# Altium PCB VCU_LAYOUT.PcbDoc (part 1 of 2) (continued)
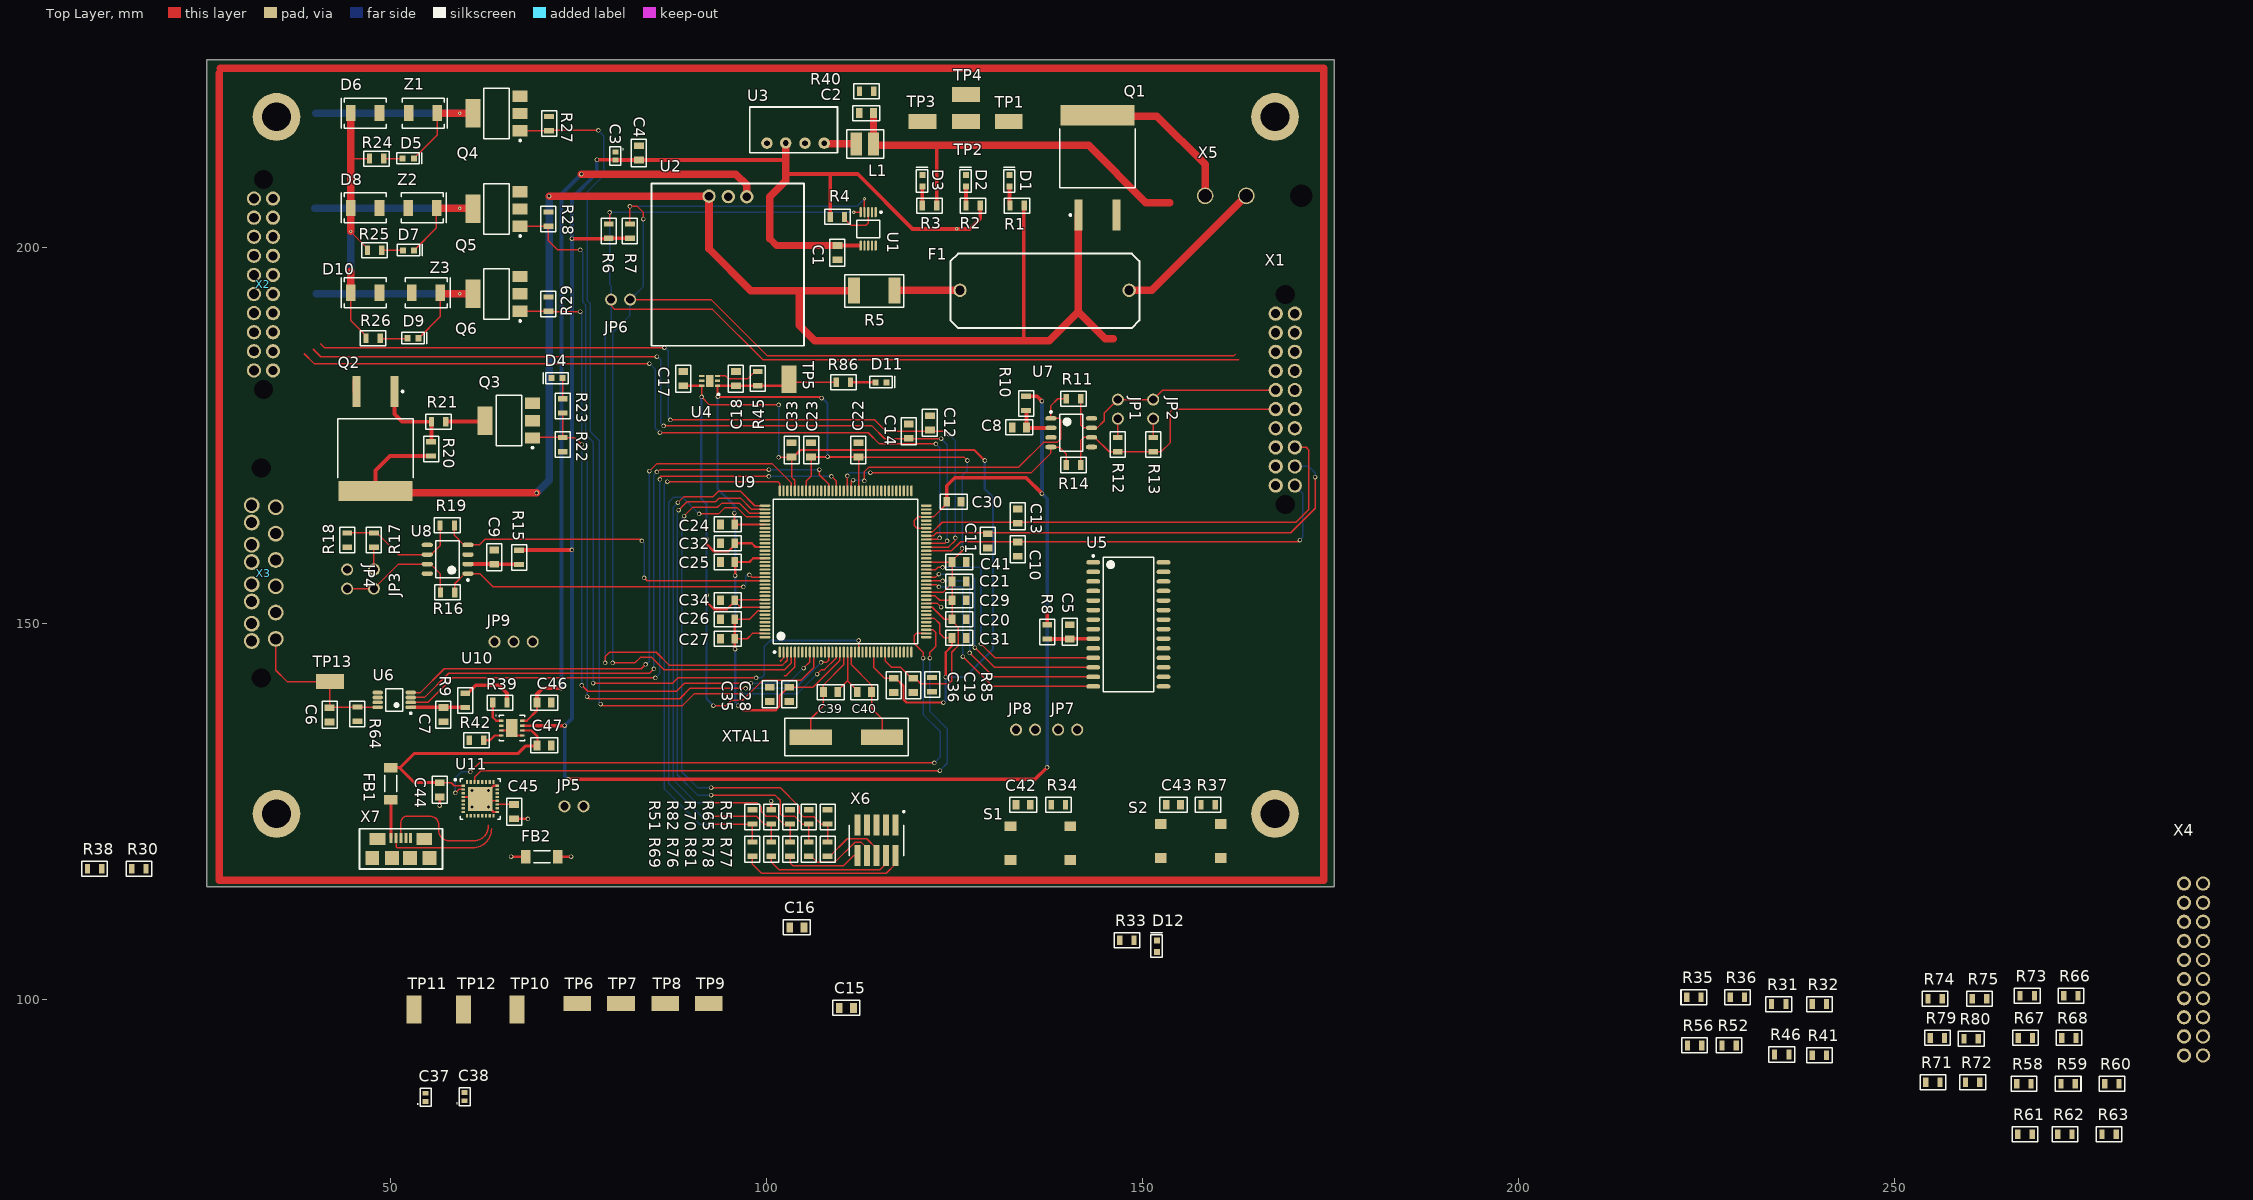
[diagram p0: Top Layer view]
## Part data (continued)
R2 R23: library part RC0805FR-07665RL, "RES SMD 665 OHM 1% 1/8W 0805", Case/Package=0805, Case Code (Metric)=2012, Manufacturer=Yageo, Max Operating Temperature=155°C, Max Power Dissipation=125mW, Min Operating Temperature=-55°C, Package Quantity=1, Supplier Part Number 1=311-665CRDKR-ND, Temperature Coefficient=100ppm/°C, Tolerance=1%, Voltage Rating=150V, Case Code (Imperial)=0805, ComponentLink1Description=https://datasheet.ciiva.com/17423/rc0805-17423095.pdf, ComponentLink1URL=https://datasheet.ciiva.com/17423/rc0805-17423095.pdf, ComponentLink2Description=https://datasheet.ciiva.com/12561/rc0805-257173-12561528.pdf, ComponentLink2URL=https://datasheet.ciiva.com/12561/rc0805-257173-12561528.pdf, ComponentLink3Description=https://datasheet.ciiva.com/2457/pyu-r-int-thick-7-2457788.pdf, ComponentLink3URL=https://datasheet.ciiva.com/2457/pyu-r-int-thick-7-2457788.pdf, ComponentLink4Description=https://datasheet.ciiva.com/2457/pyu-r-int-thick-7-2457789.pdf, ComponentLink4URL=https://datasheet.ciiva.com/2457/pyu-r-int-thick-7-2457789.pdf, ComponentLink5Description=https://datasheet.ciiva.com/2457/pyu-r-int-thick-7-2457790.pdf, ComponentLink5URL=https://datasheet.ciiva.com/2457/pyu-r-int-thick-7-2457790.pdf, Composition="Thick Film", Depth=1.25mm, Height=0.024inch, Lead Free="Lead Free", Length=2mm, Manufacturer Part Number=RC0805FR-07665RL, Military Standard=Not, Number of Terminations=2, Packaging="Tape and Reel", Power Rating=125mW, Pricing 1="1=0.1, 10=0.022, 100=0.0088, 1000=0.004, 2500=0.0034 (USD)", Resistance=665R, Stock 1=51898, Supplier 1=Digi-Key, Termination=SMD/SMT, Voltage Rating (DC)=150V, Width=1.25mm
R3: library part RC0805FR-07280RL, "RES SMD 280 OHM 1% 1/8W 0805", Case/Package=0805, Case Code (Metric)=2012, Manufacturer=Yageo, Max Operating Temperature=155°C, Max Power Dissipation=125mW, Min Operating Temperature=-55°C, Package Quantity=1, Supplier Part Number 1=311-280CRCT-ND, Temperature Coefficient=100ppm/°C, Tolerance=1%, Voltage Rating=150V, Case Code (Imperial)=0805, ComponentLink1Description=https://datasheet.ciiva.com/12558/rc0805-257173-12558854.pdf, ComponentLink1URL=https://datasheet.ciiva.com/12558/rc0805-257173-12558854.pdf, ComponentLink2Description=https://datasheet.ciiva.com/17423/rc0805-17423226.pdf, ComponentLink2URL=https://datasheet.ciiva.com/17423/rc0805-17423226.pdf, ComponentLink3Description=https://datasheet.ciiva.com/2457/pyu-r-int-thick-7-2457389.pdf, ComponentLink3URL=https://datasheet.ciiva.com/2457/pyu-r-int-thick-7-2457389.pdf, ComponentLink4Description=https://datasheet.ciiva.com/2457/pyu-r-int-thick-7-2457390.pdf, ComponentLink4URL=https://datasheet.ciiva.com/2457/pyu-r-int-thick-7-2457390.pdf, ComponentLink5Description=https://datasheet.ciiva.com/2457/pyu-r-int-thick-7-2457391.pdf, ComponentLink5URL=https://datasheet.ciiva.com/2457/pyu-r-int-thick-7-2457391.pdf, Composition="Thick Film", Depth=1.25mm, Height=0.024inch, Lead Free="Lead Free", Length=2mm, Manufacturer Part Number=RC0805FR-07280RL, Military Standard=Not, Number of Terminations=2, Packaging="Tape and Reel", Power Rating=125mW, Pricing 1="1=0.1, 10=0.022, 100=0.0088, 1000=0.004, 2500=0.0034 (USD)", Resistance=280R, Stock 1=117224, Supplier 1=Digi-Key, Termination=SMD/SMT, Voltage Rating (DC)=150V, Width=1.25mm
R4 R20 R21 R22 R27 R28 R29 R30 R31 R32 R35 R36 R38 R39 R41 R45 R46 R52 R56 R58 R59 R60 R61 R62 R63 R64 R66 R67 R68 R71 R72 R73 R74 R75 R79 R80: library part RC0805FR-071KL, "RES SMD 10K OHM 1% 1/8W 0805", Case/Package=0805, Manufacturer="Yageo Phycomp", Max Operating Temperature=155°C, Min Operating Temperature=-55°C, Power Rating=125mW, Resistance=1KR, Temperature Coefficient=100ppm/°C, Tolerance=1%, Voltage Rating (DC)=150V, Depth=1.25mm, Height=0.5mm, Lead Free="Lead Free", Length=2mm, Manufacturer Part Number=RC0805FR-071KL, Number of Pins=2, Packaging="Cut Tape", Pricing 1="1=0.1, 10=0.022, 100=0.0088, 1000=0.004, 2500=0.0034 (USD)", REACH SVHC="No SVHC", Stock 1=5527973, Supplier 1=Digi-Key, Width=1.25mm
R5: library part ERJ-M1WTF1M0U, "Res Thick Film 2512 0.001 Ohm 1% 1W 250ppm/C to 450ppm/C Molded SMD Embossed Carrier T/R", Case/Package=2512, Case Code (Metric)=6432, Manufacturer="Panasonic ECG", Max Operating Temperature=170°C, Max Power Dissipation=1W, Min Operating Temperature=-55°C, Package Quantity=1, Resistance=1mR, Supplier Part Number 1=P1.0NDCT-ND, Temperature Coefficient=450ppm/°C, Tolerance=1%, Case Code (Imperial)=2512, ComponentLink1Description=https://datasheet.ciiva.com/11811/0900766b80befc3b-11811491.pdf, ComponentLink1URL=https://datasheet.ciiva.com/11811/0900766b80befc3b-11811491.pdf, ComponentLink2Description=https://datasheet.ciiva.com/9198/aoa0000ce7-9198885.pdf, ComponentLink2URL=https://datasheet.ciiva.com/9198/aoa0000ce7-9198885.pdf, ComponentLink3Description=https://datasheet.ciiva.com/7777/39800-7777943.pdf, ComponentLink3URL=https://datasheet.ciiva.com/7777/39800-7777943.pdf, ComponentLink4Description=https://datasheet.ciiva.com/16216/aoa0000ce7-16216983.pdf, ComponentLink4URL=https://datasheet.ciiva.com/16216/aoa0000ce7-16216983.pdf, ComponentLink5Description=https://datasheet.ciiva.com/24072/aoa0000ce7-60136-24072248.pdf, ComponentLink5URL=https://datasheet.ciiva.com/24072/aoa0000ce7-60136-24072248.pdf, ComponentLink6Description=https://datasheet.ciiva.com/16512/aoa0000ce7-16512553.pdf, ComponentLink6URL=https://datasheet.ciiva.com/16512/aoa0000ce7-16512553.pdf, ComponentLink7Description=https://datasheet.ciiva.com/16788/70260812-16788394.pdf, ComponentLink7URL=https://datasheet.ciiva.com/16788/70260812-16788394.pdf, ComponentLink8Description=https://datasheet.ciiva.com/5996/39800-5996507.pdf, ComponentLink8URL=https://datasheet.ciiva.com/5996/39800-5996507.pdf, ComponentLink9Description=https://datasheet.ciiva.com/17215/aoa0000ce7-17215229.pdf, ComponentLink9URL=https://datasheet.ciiva.com/17215/aoa0000ce7-17215229.pdf, ComponentLink10Description=https://datasheet.ciiva.com/30206/aoa0000ce7-30206797.pdf, ComponentLink10URL=https://datasheet.ciiva.com/30206/aoa0000ce7-30206797.pdf, ComponentLink11Description=https://datasheet.ciiva.com/16785/70260812-16785566.pdf, ComponentLink11URL=https://datasheet.ciiva.com/16785/70260812-16785566.pdf, Composition="Thick Film,Metal Strip,Metal Element", Contact Plating=Tin, Depth=3.2mm, Height=0.8mm, Lead Free="Lead Free", Length=6.4mm, Manufacturer Part Number=ERJ-M1WTF1M0U, Military Standard=Not, Mount="Surface Mount", Number of Pins=2, Number of Terminations=2, Packaging="Tape and Reel", Power Rating=1W, Pricing 1="1=0.55, 10=0.456, 25=0.3908, 50=0.3516, 100=0.3061, 250=0.2735, 500=0.2214, 1000=0.1791 (USD)", Radiation Hardening=No, REACH SVHC="No SVHC", Stock 1=36740, Supplier 1=Digi-Key, Termination=SMD/SMT, Width=0.126inch
R8 R9 R10 R11 R14 R15 R16 R19 R51 R55 R65 R69 R70 R76 R77 R78 R81 R82: library part RC0805JR-070RL, "RES SMD 0 OHM 1/8W 0805", Case/Package=0805, Case Code (Metric)=2012, Manufacturer=Yageo, Max Operating Temperature=155°C, Min Operating Temperature=-55°C, Power Rating=125mW, Resistance=0mR, Supplier Part Number 1=311-0.0ARDKR-ND, Temperature Coefficient=200ppm/°C, Tolerance=5%, Voltage Rating=150V, Case Code (Imperial)=0805, ComponentLink1Description=https://datasheet.ciiva.com/7941/1738694-7941861.pdf, ComponentLink1URL=https://datasheet.ciiva.com/7941/1738694-7941861.pdf, ComponentLink2Description=https://datasheet.ciiva.com/7941/1738694-7941862.pdf, ComponentLink2URL=https://datasheet.ciiva.com/7941/1738694-7941862.pdf, ComponentLink3Description=https://datasheet.ciiva.com/11819/0900766b8106beab-11819430.pdf, ComponentLink3URL=https://datasheet.ciiva.com/11819/0900766b8106beab-11819430.pdf, ComponentLink4Description=https://datasheet.ciiva.com/7941/1738694-7941863.pdf, ComponentLink4URL=https://datasheet.ciiva.com/7941/1738694-7941863.pdf, ComponentLink5Description=https://datasheet.ciiva.com/15190/getdatasheetpartid-330685-15190028.pdf, ComponentLink5URL=https://datasheet.ciiva.com/15190/getdatasheetpartid-330685-15190028.pdf, Composition="Thick Film", Contact Plating=Tin,Matte, Depth=1.25mm, Height=0.5mm, Lead Free="Lead Free", Length=2mm, Manufacturer Part Number=RC0805JR-070RL, Military Standard=Not, Number of Pins=2, Packaging="Tape and Reel", Pricing 1="1=0.1, 10=0.018, 25=0.0128, 50=0.0096, 100=0.0071, 250=0.0054, 500=0.0044, 1000=0.0032 (USD)", Radiation Hardening=No, REACH SVHC=Unknown, Stock 1=5922085, Supplier 1=Digi-Key, Termination=SMD/SMT, Voltage Rating (DC)=150V, Width=1.25mm
R12 R17 R86: library part RC0805FR-07120RL, "RES SMD 120 OHM 1% 1/8W 0805", Case/Package=0805, Case Code (Metric)=2012, Manufacturer=Yageo, Max Operating Temperature=155°C, Max Power Dissipation=125mW, Min Operating Temperature=-55°C, Package Quantity=1, Resistance=120R, Supplier Part Number 1=311-120CRCT-ND, Temperature Coefficient=100ppm/°C, Tolerance=1%, Voltage Rating=150V, Case Code (Imperial)=0805, ComponentLink1Description=https://datasheet.ciiva.com/2491/pyu-r-int-thick-7-2491585.pdf, ComponentLink1URL=https://datasheet.ciiva.com/2491/pyu-r-int-thick-7-2491585.pdf, ComponentLink2Description=https://datasheet.ciiva.com/2491/pyu-r-int-thick-7-2491586.pdf, ComponentLink2URL=https://datasheet.ciiva.com/2491/pyu-r-int-thick-7-2491586.pdf, ComponentLink3Description=https://datasheet.ciiva.com/2491/pyu-r-int-thick-7-2491587.pdf, ComponentLink3URL=https://datasheet.ciiva.com/2491/pyu-r-int-thick-7-2491587.pdf, ComponentLink4Description=https://datasheet.ciiva.com/12558/rc0805-257173-12558661.pdf, ComponentLink4URL=https://datasheet.ciiva.com/12558/rc0805-257173-12558661.pdf, ComponentLink5Description=https://datasheet.ciiva.com/11819/0900766b8106beab-11819786.pdf, ComponentLink5URL=https://datasheet.ciiva.com/11819/0900766b8106beab-11819786.pdf, ComponentLink6Description=https://datasheet.ciiva.com/7941/444164-7941691.pdf, ComponentLink6URL=https://datasheet.ciiva.com/7941/444164-7941691.pdf, ComponentLink7Description=https://datasheet.ciiva.com/7941/444164-7941692.pdf, ComponentLink7URL=https://datasheet.ciiva.com/7941/444164-7941692.pdf, ComponentLink8Description=https://datasheet.ciiva.com/16964/rc0805-16964606.pdf, ComponentLink8URL=https://datasheet.ciiva.com/16964/rc0805-16964606.pdf, Composition="Thick Film", Depth=1.25mm, Height=0.5mm, Lead Free="Lead Free", Length=2mm, Manufacturer Part Number=RC0805FR-07120RL, Military Standard=Not, Number of Terminations=2, Packaging="Tape and Reel", Power Rating=125mW, Pricing 1="1=0.1, 10=0.022, 100=0.0088, 1000=0.004, 2500=0.0034 (USD)", REACH SVHC=Unknown, Stock 1=632664, Supplier 1=Digi-Key, Termination=SMD/SMT, Width=0.049inch
R13 R18 R40: library part RC0805FR-0760R4L, "RES SMD 60.4 OHM 1% 1/8W 0805", Case/Package=0805, Case Code (Metric)=2012, Manufacturer=Yageo, Max Operating Temperature=155°C, Max Power Dissipation=125mW, Min Operating Temperature=-55°C, Package Quantity=1, Resistance=60.4R, Supplier Part Number 1=311-60.4CRDKR-ND, Temperature Coefficient=100ppm/°C, Tolerance=1%, Voltage Rating=150V, Case Code (Imperial)=0805, ComponentLink1Description=https://datasheet.ciiva.com/2457/pyu-r-int-thick-7-2457216.pdf, ComponentLink1URL=https://datasheet.ciiva.com/2457/pyu-r-int-thick-7-2457216.pdf, ComponentLink2Description=https://datasheet.ciiva.com/2457/pyu-r-int-thick-7-2457217.pdf, ComponentLink2URL=https://datasheet.ciiva.com/2457/pyu-r-int-thick-7-2457217.pdf, ComponentLink3Description=https://datasheet.ciiva.com/2457/pyu-r-int-thick-7-2457215.pdf, ComponentLink3URL=https://datasheet.ciiva.com/2457/pyu-r-int-thick-7-2457215.pdf, Composition="Thick Film", Contact Plating=Tin,Lead,Matte, Depth=1.25mm, Height=0.024inch, Lead Free="Lead Free", Length=0.079inch, Manufacturer Part Number=RC0805FR-0760R4L, Military Standard=Not, Number of Terminations=2, Packaging="Tape and Reel", Power Rating=125mW, Pricing 1="1=0.1, 10=0.022, 100=0.0088, 1000=0.004, 2500=0.0034 (USD)", Radiation Hardening=No, Stock 1=189238, Supplier 1=Digi-Key, Termination=SMD/SMT, Voltage Rating (DC)=150V, Width=0.049inch
R33 R34 R37 R85: library part RC0805JR-072K2L, "RES SMD 2.2K OHM 5% 1/8W", Case/Package=0805, Case Code (Metric)=2012, Manufacturer=Yageo, Max Operating Temperature=155°C, Min Operating Temperature=-55°C, Power Rating=125mW, Resistance=2.2kR, Supplier Part Number 1=311-2.2KARCT-ND, Temperature Coefficient=100ppm/°C, Tolerance=5%, Voltage Rating=150V, Case Code (Imperial)=0805, ComponentLink1Description=https://datasheet.ciiva.com/12667/rc0805-12667397.pdf, ComponentLink1URL=https://datasheet.ciiva.com/12667/rc0805-12667397.pdf, ComponentLink2Description=https://datasheet.ciiva.com/15190/getdatasheetpartid-251869-15190044.pdf, ComponentLink2URL=https://datasheet.ciiva.com/15190/getdatasheetpartid-251869-15190044.pdf, ComponentLink3Description=https://datasheet.ciiva.com/7941/442941-7941935.pdf, ComponentLink3URL=https://datasheet.ciiva.com/7941/442941-7941935.pdf, Composition="Thick Film", Contact Plating=Tin,Lead,Matte, Depth=1.25mm, Lead Free="Lead Free", Length=2mm, Manufacturer Part Number=RC0805JR-072K2L, Military Standard=Not, Packaging="Tape and Reel", Pricing 1="1=0.1, 10=0.019, 100=0.0076, 1000=0.0034, 2500=0.003 (USD)", Radiation Hardening=No, REACH SVHC=Unknown, Stock 1=810523, Supplier 1=Digi-Key, Termination=SMD/SMT
R42: library part ERA-6AEB102V, "RES SMD 1K OHM 0805 1K Ohm 0.1% 0.125W(1/8W) ±25ppm/C Molded SMD Automotive Punched T/R", Case/Package=0805, Case Code (Metric)=2012, Manufacturer="Panasonic ECG", Max Operating Temperature=155°C, Max Power Dissipation=125mW, Min Operating Temperature=-55°C, Package Quantity=5000, Resistance=1kR, Supplier Part Number 1=P1.0KDACT-ND, Temperature Coefficient=25ppm/°C, Tolerance=0.1%, Voltage Rating=100V, Case Code (Imperial)=0805, ComponentLink1Description=https://datasheet.ciiva.com/11811/0900766b80beefcc-11811155.pdf, ComponentLink1URL=https://datasheet.ciiva.com/11811/0900766b80beefcc-11811155.pdf, ComponentLink2Description=https://datasheet.ciiva.com/30057/54aoa0000ce26-30057591.pdf, ComponentLink2URL=https://datasheet.ciiva.com/30057/54aoa0000ce26-30057591.pdf, ComponentLink3Description=https://datasheet.ciiva.com/48536/era-eng-tds-48536727.pdf, ComponentLink3URL=https://datasheet.ciiva.com/48536/era-eng-tds-48536727.pdf, ComponentLink4Description=https://datasheet.ciiva.com/9198/aoa0000ce26-9198984.pdf, ComponentLink4URL=https://datasheet.ciiva.com/9198/aoa0000ce26-9198984.pdf, ComponentLink5Description=https://datasheet.ciiva.com/16782/70068849-16782808.pdf, ComponentLink5URL=https://datasheet.ciiva.com/16782/70068849-16782808.pdf, ComponentLink6Description=https://datasheet.ciiva.com/24025/aoa0000ce26-197354-24025849.pdf, ComponentLink6URL=https://datasheet.ciiva.com/24025/aoa0000ce26-197354-24025849.pdf, ComponentLink7Description=https://datasheet.ciiva.com/43455/485442-43455257.pdf, ComponentLink7URL=https://datasheet.ciiva.com/43455/485442-43455257.pdf, ComponentLink8Description=https://datasheet.ciiva.com/43457/485442-43457803.pdf, ComponentLink8URL=https://datasheet.ciiva.com/43457/485442-43457803.pdf, ComponentLink9Description=https://datasheet.ciiva.com/7942/485442-7942414.pdf, ComponentLink9URL=https://datasheet.ciiva.com/7942/485442-7942414.pdf, ComponentLink10Description=https://datasheet.ciiva.com/16201/aoa0000ce26-16201486.pdf, ComponentLink10URL=https://datasheet.ciiva.com/16201/aoa0000ce26-16201486.pdf, ComponentLink11Description=https://datasheet.ciiva.com/22783/485442-22783806.pdf, ComponentLink11URL=https://datasheet.ciiva.com/22783/485442-22783806.pdf, ComponentLink12Description=https://datasheet.ciiva.com/7942/485442-7942415.pdf, ComponentLink12URL=https://datasheet.ciiva.com/7942/485442-7942415.pdf, ComponentLink13Description=https://datasheet.ciiva.com/29184/453027-da-01-en-widerstand-0805-era-29184108.pdf, ComponentLink13URL=https://datasheet.ciiva.com/29184/453027-da-01-en-widerstand-0805-era-29184108.pdf, Composition="Thin Film", Contact Plating=Tin, Depth=1.25mm, Height=0.5mm, Length=2mm, Manufacturer Part Number=ERA-6AEB102V, Military Standard=Not, Mount="Surface Mount", Number of Pins=2, Number of Terminations=2, Packaging="Tape and Reel", Power Rating=125mW, Pricing 1="1=0.36, 10=0.302, 100=0.1182, 1000=0.0495, 2500=0.0454 (USD)", Radiation Hardening=No, REACH SVHC="No SVHC", Stock 1=506583, Supplier 1=Digi-Key, Termination=SMD/SMT, Width=1.25mm
S1 S2: "SWITCH TACTILE SPST-NO 0.05A 12V", Case/Package=SMD/SMT, Colour=Black, Contact Resistance=100mR, Current Rating=50mA, Manufacturer="ITT C&K", Max Operating Temperature=60°C, Max Voltage Rating (DC)=12V, Min Operating Temperature=-20°C, Operating Force=160gf, Package Quantity=1000, Supplier Part Number 1=CKN9112CT-ND, Actuator Length=0.85mm, Actuator Material=Nylon,Polyamide, ComponentLink1Description=https://datasheet.ciiva.com/29903/getdatasheetpartid-786341-29903846.pdf, ComponentLink1URL=https://datasheet.ciiva.com/29903/getdatasheetpartid-786341-29903846.pdf, ComponentLink2Description=https://datasheet.ciiva.com/14920/pts645-14920733.pdf, ComponentLink2URL=https://datasheet.ciiva.com/14920/pts645-14920733.pdf, ComponentLink3Description=https://datasheet.ciiva.com/14920/pts645-14920734.pdf, ComponentLink3URL=https://datasheet.ciiva.com/14920/pts645-14920734.pdf, ComponentLink4Description=https://datasheet.ciiva.com/14920/pts645-14920735.pdf, ComponentLink4URL=https://datasheet.ciiva.com/14920/pts645-14920735.pdf, ComponentLink5Description=https://datasheet.ciiva.com/29931/getdatasheetpartid-764615-29931183.pdf, ComponentLink5URL=https://datasheet.ciiva.com/29931/getdatasheetpartid-764615-29931183.pdf, Contact Material=Silver, Contact Plating=Silver, Depth=9mm, Illumination Type=Non-Illuminated,Illuminated, Lead Free="Lead Free", Length=6mm, Manufacturer Part Number=PTS645SM43SMTR92LFS, Max Current Rating=50mA, Mechanical Life=100000Cycles, Mount="Surface Mount", Orientation=Straight, Packaging="Tape and Reel", Pricing 1="1=0.16, 10=0.157, 25=0.1516, 50=0.1462, 100=0.1381, 250=0.13, 500=0.1245 (USD)", REACH SVHC="No SVHC", Stock 1=188827, Supplier 1=Digi-Key, Switch Function=Off-Mom, Termination="Gull Wing", Throw Configuration=SPST, Voltage Rating (DC)=12V
TP1 TP2 TP3 TP4 TP5 TP6 TP7 TP8 TP9 TP10 TP11 TP12 TP13: "TEST POINT, PCB, SMT", Colour=White, Manufacturer="Keystone Electronics", Package Quantity=1, Supplier Part Number 1=36-5015CT-ND, ComponentLink1Description=https://datasheet.ciiva.com/2917/5015-2917616.pdf, ComponentLink1URL=https://datasheet.ciiva.com/2917/5015-2917616.pdf, ComponentLink2Description=https://datasheet.ciiva.com/2917/5015-2917617.pdf, ComponentLink2URL=https://datasheet.ciiva.com/2917/5015-2917617.pdf, ComponentLink3Description=https://datasheet.ciiva.com/1123/5015-1123862.pdf, ComponentLink3URL=https://datasheet.ciiva.com/1123/5015-1123862.pdf, ComponentLink4Description=https://datasheet.ciiva.com/16883/70182998-16883734.pdf, ComponentLink4URL=https://datasheet.ciiva.com/16883/70182998-16883734.pdf, Contact Material=Bronze, Contact Plating=Tin,Silver,Lead, Depth=1.01mm, Height=0.06inch, Lead Free="Lead Free", Length=2.66mm, Manufacturer Part Number=5015, Material=Bronze,Silver, Mount="Surface Mount", Number of Ports=1, Orientation=Straight, Packaging="Tape and Reel", Pricing 1="1=0.44, 10=0.421, 25=0.3604, 50=0.3064, 100=0.2944, 250=0.2644, 500=0.2524 (USD)", REACH SVHC="No SVHC", Stock 1=1937775, Supplier 1=Digi-Key, Termination=Solder, Thickness=0.01inch
U1: "IC MONITOR PWR/CURR BIDIR 10MSOP", Case/Package=VSSOP, Input Bias Current=10uA, Input Offset Voltage (Vos)=2.5uV, Manufacturer="Texas Instruments", Max Operating Temperature=125°C, Max Supply Voltage=5.5V, Min Operating Temperature=-40°C, Min Supply Voltage=2.7V, Nominal Supply Current=330uA, Output Current=10mA, Package Quantity=1, Supplier Part Number 1=296-29034-1-ND, Accuracy=0.02%, Common Mode Rejection Ratio=140dB, ComponentLink1Description=https://datasheet.ciiva.com/1939/ina226-1939633.pdf, ComponentLink1URL=https://datasheet.ciiva.com/1939/ina226-1939633.pdf, ComponentLink2Description=https://datasheet.ciiva.com/1939/ina226-1939634.pdf, ComponentLink2URL=https://datasheet.ciiva.com/1939/ina226-1939634.pdf, ComponentLink3Description=https://datasheet.ciiva.com/1939/ina226-1939635.pdf, ComponentLink3URL=https://datasheet.ciiva.com/1939/ina226-1939635.pdf, ComponentLink4Description=https://datasheet.ciiva.com/14196/ina226-14196741.pdf, ComponentLink4URL=https://datasheet.ciiva.com/14196/ina226-14196741.pdf, ComponentLink5Description=https://datasheet.ciiva.com/4875/sbos547-126280-4875559.pdf, ComponentLink5URL=https://datasheet.ciiva.com/4875/sbos547-126280-4875559.pdf, ComponentLink6Description=https://datasheet.ciiva.com/22693/1840205-22693516.pdf, ComponentLink6URL=https://datasheet.ciiva.com/22693/1840205-22693516.pdf, Contact Plating=Gold, Lead Free="Lead Free", Manufacturer Part Number=INA226AIDGSR, Mount="Surface Mount", Number of Pins=10, Packaging="Tape and Reel", Pricing 1="1=2.95, 10=2.648, 100=2.1692, 500=1.8466, 1000=1.5574 (USD)", Radiation Hardening=No, REACH SVHC="No SVHC", Stock 1=62674, Supplier 1=Digi-Key
U2: "DCDC 5V MURATA POWER SOLUTIONS 	   	78SRH-5/2-C 	   	IC, SYNC SWITCHING REGULATOR, TO-220-3", Case/Package=SIP, Current - Output 1=2A, Manufacturer=Murata, Max Input Voltage=32V, Max Operating Temperature=70°C, Max Output Power=10W, Min Input Voltage=8V, Min Operating Temperature=-40°C, Nominal Input Voltage=12V, Nominal Output Voltage=5V, Package Quantity=144, Supplier Part Number 1=811-2657-ND, ComponentLink1Description=https://datasheet.ciiva.com/3240/mpm-78sr-2a-a00-3240576.pdf, ComponentLink1URL=https://datasheet.ciiva.com/3240/mpm-78sr-2a-a00-3240576.pdf, ComponentLink2Description=https://datasheet.ciiva.com/1170/698935-1170225.pdf, ComponentLink2URL=https://datasheet.ciiva.com/1170/698935-1170225.pdf, ComponentLink3Description=https://datasheet.ciiva.com/26809/getdatasheetpartid-357559-26809336.pdf, ComponentLink3URL=https://datasheet.ciiva.com/26809/getdatasheetpartid-357559-26809336.pdf, ComponentLink4Description=https://datasheet.ciiva.com/16627/mpm-78sr-2a-a00-16627849.pdf, ComponentLink4URL=https://datasheet.ciiva.com/16627/mpm-78sr-2a-a00-16627849.pdf, ComponentLink5Description=https://datasheet.ciiva.com/16405/mpm-78sr-2a-a00-16405759.pdf, ComponentLink5URL=https://datasheet.ciiva.com/16405/mpm-78sr-2a-a00-16405759.pdf, Depth=7.1mm, Efficiency=95%, Height=0.28inch, Isolation=Isolated, Lead Free="Lead Free", Length=20.3mm, Manufacturer Part Number=78SRH-5/2-C, Max Input Voltage (DC)=32V, Max Output Current=2A, Max Power Dissipation=10W, Min Input Voltage (DC)=8V, Mount="Through Hole", Number of Outputs=1, Number of Pins=3, Output Current=2A, Output Power=10W, Output Voltage=5V, Packaging=Box, Pricing 1="1=13.95, 5=12.2, 10=10.959 (USD)", Radiation Hardening=No, REACH SVHC="No SVHC", Stock 1=2978, Supplier 1=Digi-Key, Voltage - Output 1=5V, Weight=1lb, Width=0.8inch
U3: "DCDC 3V3 CONVERTER 3.3V 1W", Case/Package=SIP, Current - Output 1=303mA, Flammability Rating="UL94 V-0", Isolation Voltage=3kV, Manufacturer=Murata, Max Input Voltage=5.5V, Max Operating Temperature=85°C, Max Output Power=1W, Min Input Voltage=4.5V, Min Operating Temperature=-40°C, Nominal Input Voltage=5V, Nominal Output Voltage=3.3V, Package Quantity=40, Supplier Part Number 1=811-1432-5-ND, ComponentLink1Description=https://datasheet.ciiva.com/18018/getdatasheetpartid-363088-18018901.pdf, ComponentLink1URL=https://datasheet.ciiva.com/18018/getdatasheetpartid-363088-18018901.pdf, ComponentLink2Description=https://datasheet.ciiva.com/16627/kdc-nke-16627961.pdf, ComponentLink2URL=https://datasheet.ciiva.com/16627/kdc-nke-16627961.pdf, ComponentLink3Description=https://datasheet.ciiva.com/2169/kdc-nke-2169402.pdf, ComponentLink3URL=https://datasheet.ciiva.com/2169/kdc-nke-2169402.pdf, ComponentLink4Description=https://datasheet.ciiva.com/8011/1790387-8011754.pdf, ComponentLink4URL=https://datasheet.ciiva.com/8011/1790387-8011754.pdf, ComponentLink5Description=https://datasheet.ciiva.com/29186/158161-da-01-en-dc-dc-wandler-nke0503sc-mps-29186131.pdf, ComponentLink5URL=https://datasheet.ciiva.com/29186/158161-da-01-en-dc-dc-wandler-nke0503sc-mps-29186131.pdf, Depth=6mm, Efficiency=74%, Height=7.46mm, Isolation=Isolated, Length=11.48mm, Manufacturer Part Number=NKE0503SC, Max Input Voltage (DC)=5.5V, Max Output Current=303mA, Max Power Dissipation=1W, Min Input Voltage (DC)=4.5V, Mount="Through Hole", Number of Outputs=1, Number of Pins=4, Output Current=303mA, Output Power=1W, Output Voltage=3.3V, Packaging=Rail/Tube, Pricing 1="1=7.61, 5=7.57, 10=7.52, 25=7.43, 50=7.25, 100=6.89, 250=6.45, 500=6.01, 1000=5.985 (USD)", Radiation Hardening=No, REACH SVHC="No SVHC", Stock 1=748, Supplier 1=Digi-Key, Voltage - Output 1=3.3V, Width=6mm
U4: "LDO_1V2 REG 3.3V INPUT 1V2 OUTPUT 0.5A", Dropout Voltage=150mV, Manufacturer="Texas Instruments", Max Operating Temperature=125°C, Min Operating Temperature=-40°C, Quiescent Current=30uA, Supplier Part Number 1=296-44294-1-ND, ComponentLink1Description=http://www.ti.com/lit/ds/symlink/lp5912-q1.pdf, ComponentLink1URL=http://www.ti.com/lit/ds/symlink/lp5912-q1.pdf, Lead Free="Lead Free", Manufacturer Part Number=LP5912Q3.3DRVRQ1, Pricing 1="1=1.41, 10=1.261, 100=0.9831, 500=0.8122, 1000=0.6412 (USD)", Stock 1=10415, Supplier 1=Digi-Key
U5: "IC I/O Expander, 16bit, 10 MHz, SPI, 4.5 V, 5.5 V, SOIC", Case/Package=SOIC, Frequency=10MHz, Manufacturer=Microchip, Max Operating Temperature=125°C, Max Supply Voltage=5.5V, Min Operating Temperature=-40°C, Min Supply Voltage=4.5V, Nominal Supply Current=1mA, Package Quantity=1600, Power Dissipation=700mW, Supplier Part Number 1=MCP23S17T-E/SODKR-ND, ComponentLink1Description=https://datasheet.ciiva.com/1780/21952b-1780739.pdf, ComponentLink1URL=https://datasheet.ciiva.com/1780/21952b-1780739.pdf, ComponentLink2Description=https://datasheet.ciiva.com/1495/12179-1495927.pdf, ComponentLink2URL=https://datasheet.ciiva.com/1495/12179-1495927.pdf, ComponentLink3Description=https://datasheet.ciiva.com/16221/filehandler-aspxddocname-en023709-16221082.pdf, ComponentLink3URL=https://datasheet.ciiva.com/16221/filehandler-aspxddocname-en023709-16221082.pdf, ComponentLink4Description=https://datasheet.ciiva.com/16617/21952b-16617644.pdf, ComponentLink4URL=https://datasheet.ciiva.com/16617/21952b-16617644.pdf, ComponentLink5Description=https://datasheet.ciiva.com/1505/21952b-1505037.pdf, ComponentLink5URL=https://datasheet.ciiva.com/1505/21952b-1505037.pdf, ComponentLink6Description=https://datasheet.ciiva.com/12266/21952b-12266927.pdf, ComponentLink6URL=https://datasheet.ciiva.com/12266/21952b-12266927.pdf, Interface=SPI,Serial, Lead Free="Lead Free", Manufacturer Part Number=MCP23S17T-E/SO, Max Frequency=10MHz, Mount="Surface Mount", Number of Bits=16, Number of Channels=1, Number of I/Os=16, Number of Pins=28, Packaging="Tape and Reel", Pricing 1="1=1.32, 25=1.1024, 100=0.9975 (USD)", REACH SVHC="No SVHC", Stock 1=6929, Supplier 1=Digi-Key
U6: "IC Digital to Analog Converters - DAC Sgl 12-bit SPI int", Case/Package=MSOP, Input Offset Voltage (Vos)=820uV, Manufacturer=Microchip, Max Operating Temperature=125°C, Max Supply Voltage=5.5V, Min Operating Temperature=-40°C, Min Supply Voltage=2.7V, Nominal Supply Current=175uA, Package Quantity=1, Supplier Part Number 1=MCP4921T-E/MSCT-ND, Supply Voltage=5V, ComponentLink1Description=https://datasheet.ciiva.com/3041/22248a-3041510.pdf, ComponentLink1URL=https://datasheet.ciiva.com/3041/22248a-3041510.pdf, ComponentLink2Description=https://datasheet.ciiva.com/6666/22248a-6666553.pdf, ComponentLink2URL=https://datasheet.ciiva.com/6666/22248a-6666553.pdf, ComponentLink3Description=https://datasheet.ciiva.com/8035/22248a-8035052.pdf, ComponentLink3URL=https://datasheet.ciiva.com/8035/22248a-8035052.pdf, ComponentLink4Description=https://datasheet.ciiva.com/16625/22248a-16625692.pdf, ComponentLink4URL=https://datasheet.ciiva.com/16625/22248a-16625692.pdf, ComponentLink5Description=https://datasheet.ciiva.com/16203/filehandler-aspxddocname-en547911-16203277.pdf, ComponentLink5URL=https://datasheet.ciiva.com/16203/filehandler-aspxddocname-en547911-16203277.pdf, ComponentLink6Description=https://datasheet.ciiva.com/6666/22248a-6666558.pdf, ComponentLink6URL=https://datasheet.ciiva.com/6666/22248a-6666558.pdf, ComponentLink7Description=https://datasheet.ciiva.com/41459/001083287-da-01-en-ic-dac-12-w-spi-mcp4921t-e-ms-msop-8-mcp-41459046.pdf, ComponentLink7URL=https://datasheet.ciiva.com/41459/001083287-da-01-en-ic-dac-12-w-spi-mcp4921t-e-ms-msop-8-mcp-41459046.pdf, Integral Nonlinearity (INL)=12LSB, Interface=SPI,Serial, Lead Free="Lead Free", Manufacturer Part Number=MCP4921T-E/MS, Mount="Surface Mount", Number of Bits=12, Number of Channels=1, Number of Converters=1, Number of DAC Channels=1, Number of Pins=8, Packaging="Tape and Reel", Pricing 1="1=2.07, 25=1.722, 100=1.5645 (USD)", Radiation Hardening=No, REACH SVHC="No SVHC", Resolution=12b, Settling Time=4.5us, Stock 1=5999, Supplier 1=Digi-Key, Supply Type=Single
U7 U8: "IC CAN Bus, Transceiver, CAN, 1, 1, 4.5 V, 5.5 V, SOIC", Case/Package=SOIC, Manufacturer=Microchip, Max Operating Temperature=125°C, Max Supply Current=70mA, Max Supply Voltage=5.5V, Min Operating Temperature=-40°C, Min Supply Voltage=4.5V, Package Quantity=100, ComponentLink1Description=https://datasheet.ciiva.com/48512/mcp2561fd-eng-tds-48512069.pdf, ComponentLink1URL=https://datasheet.ciiva.com/48512/mcp2561fd-eng-tds-48512069.pdf, ComponentLink2Description=https://datasheet.ciiva.com/46406/1821190-46406024.pdf, ComponentLink2URL=https://datasheet.ciiva.com/46406/1821190-46406024.pdf, ComponentLink3Description=https://datasheet.ciiva.com/46406/1821190-46406056.pdf, ComponentLink3URL=https://datasheet.ciiva.com/46406/1821190-46406056.pdf, ComponentLink4Description=https://datasheet.ciiva.com/48473/20005284a-48473177.pdf, ComponentLink4URL=https://datasheet.ciiva.com/48473/20005284a-48473177.pdf, Data Rate=8Mbps, Height=1.5mm, Interface=CAN, Lead Free="Lead Free", Length=4.9mm, Logic Function=Transceiver, Manufacturer Part Number=MCP2561FD-E/SN, Number of Drivers=1, Number of Pins=8, Number of Receive Buffers=1, Number of Receivers=1, Number of Transceivers=1, Number of Transmit Buffers=1, Operating Supply Current=70mA, Packaging=Rail/Tube, Pricing 1="1=0.97, 25=0.8084, 100=0.735 (USD)", REACH SVHC="No SVHC", Receiver Hysteresis=200mV, Stock 1=1072, Supplier 1=Digi-Key, Weight=0.019048oz, Width=3.9mm